# EAGLE board Mk4 Final a Panel score (EAGLE 9.0.1), part 17 of 24
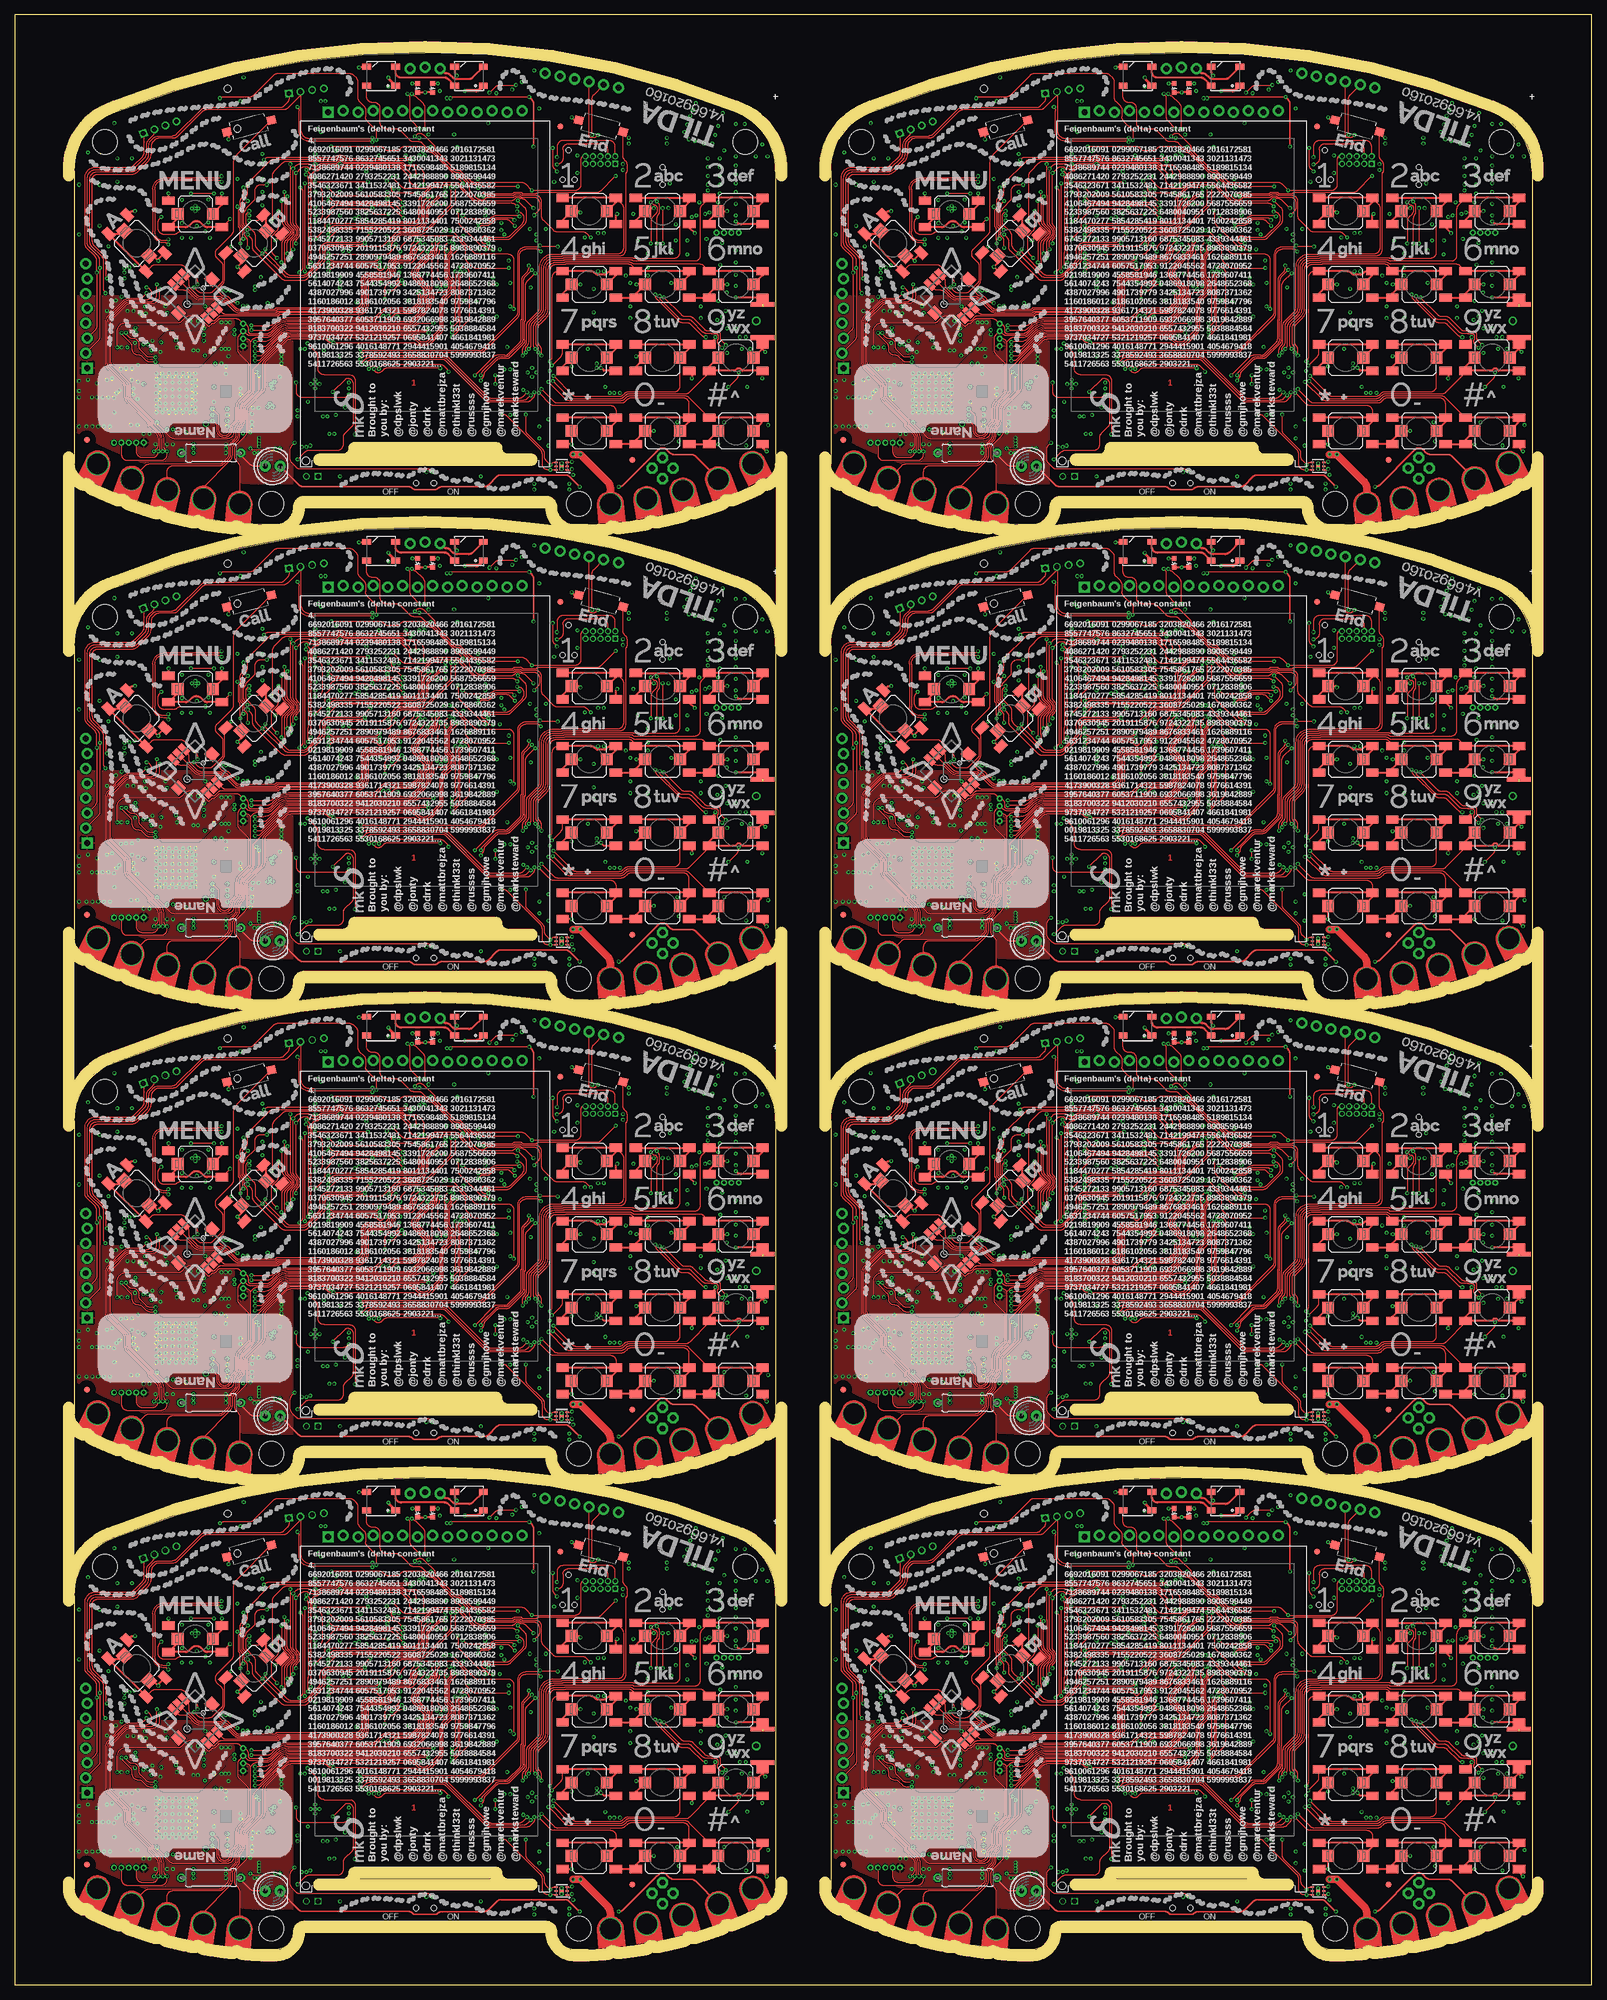
[diagram p0: board, top side]
## Tracks (layer width: path | path; a pad name or v marks a point on that pad's centre or on a via) (continued)
SDRAM_A58  (via drill 0.3) (continued)
  Bottom 0.15: v66.25,221.25 66.71,220.79 arc-45 67,220.09 IC74.24 | v45.5,223.25 51.42,223.25 arc-45 51.56,223.19 51.59,223.16 arc45 51.73,223.1 IC73.11 52.77,223.1 arc45 52.91,223.16 52.94,223.19 arc-45 53.08,223.25 v53.5,223.25 | IC73.31 41.7,212.7 arc-45 41.82,212.75 v45.5,212.75
SDRAM_A59  (via drill 0.3)
  Top 0.15: v66.3,220.3 64.49,222.11 arc45 63.79,222.4 61.42,222.4 arc-45 61.28,222.46 61.28,222.47 arc45 61.13,222.53 54.94,222.53 arc45 54.23,222.23 v53.5,221.5 | v45,221.5 45,218.83 arc-45 44.71,218.12 44.14,217.56 arc45 43.85,216.85 43.85,214.81 arc45 44.14,214.11 v44.75,213.5
  Bottom 0.15: v53.5,221.5 IC73.13 v45,221.5 | IC73.32 v44.75,213.5 | IC74.25 66.6,215.26 66.62,215.28 66.62,219.56 arc45 66.33,220.27 v66.3,220.3
SDRAM_A60  (via drill 0.3)
  Top 0.15: v59.75,216.1 v59.74,216.09 arc-45 59.04,215.8 53.75,215.8 arc90 52.5,214.55 52.5,213.5 arc-45 52.21,212.79 49.89,210.47 arc-45 49.18,210.18 46.74,210.18 arc-45 46.03,210.47 v42.25,214.25 41.29,215.21 arc-45 41,215.91 41,217.33 arc45 40.71,218.03 39.47,219.27 arc-45 39.4,219.45 39.4,220.69 arc-45 39.55,221.05 v40,221.5
  Bottom 0.15: IC73.42 v40,221.5 | IC73.33 41.7,214.3 arc45 41.82,214.25 v42.25,214.25 | IC74.40 61.66,217.6 arc45 60.96,217.31 v59.75,216.1
SDRAM_A61  (via drill 0.3)
  Top 0.15: v39.75,215.25 39.75,216.34 arc45 39.46,217.05 39.38,217.12 arc-45 39.16,217.65 39.16,218.58 arc45 39.09,218.76 38.87,218.98 arc-45 38.8,219.16 38.8,221.24 arc-45 38.95,221.59 39.02,221.67 arc45 39.16,222.02 39.16,222.25 arc-45 39.46,222.96 v39.75,223.25 | v60.65,217.75 59.32,216.42 arc-45 58.61,216.12 53.5,216.12 arc90 52,214.62 52,213.42 arc-45 51.71,212.72 49.76,210.77 arc-45 49.05,210.47 47.2,210.47 arc-45 46.49,210.77 43.04,214.22 arc-45 42.75,214.92 v42.75,215
  Bottom 0.15: IC73.44 40.65,223.1 40.65,223.1 arc45 40.29,223.25 v39.75,223.25 | v39.75,215.25 40.29,215.25 arc-45 40.65,215.1 IC73.34 42.51,215.1 arc-45 v42.75,215 | IC74.41 61.25,218 arc45 v60.65,217.75
SDRAM_A62  (via drill 0.3)
  Top 0.15: v53.5,214.25 53.58,214.18 63.35,214.18 arc45 64.06,214.47 64.9,215.31 arc45 65.05,215.66 v65.05,215.8 | v46.5,214.25 46.5,215.95 arc-45 46.79,216.65 47.48,217.34 arc90 47.48,218.4 46.79,219.09 arc-45 46.5,219.8 v46.5,224
  Bottom 0.15: IC73.45 41.82,223.9 arc45 41.96,223.96 arc-45 42.06,224 v46.5,224 | v53.5,214.25 53,214.25 52.95,214.3 IC73.22 51.8,214.3 arc-45 51.68,214.25 v46.5,214.25 | IC74.50 63.54,221.6 arc-45 64.24,221.31 64.76,220.79 arc-45 65.05,220.09 v65.05,215.8
SDRAM_A63  (via drill 0.3)
  Top 0.15: v39,216.75 39,217.08 38.86,217.22 38.86,218.46 arc45 38.79,218.64 38.57,218.85 arc-45 38.5,219.03 38.5,221.37 arc-45 38.65,221.72 38.72,221.79 arc45 38.86,222.14 38.86,222.95 arc-45 39.16,223.66 39.46,223.96 arc45 39.75,224.66 v39.75,226.25 43.53,230.03 arc-45 44.24,230.32 54.73,230.32 54.79,230.38 arc-90 56.21,230.38 56.42,230.18 66.97,230.18 arc-45 v67.47,229.97
  Bottom 0.15: IC73.48 40.55,226.3 40.5,226.25 v39.75,226.25 | IC73.36 40.55,216.7 40.5,216.75 v39,216.75 | v67.47,229.97 67.8,229.64 IC74.75
SDRAM_A64  (via drill 0.3)
  Top 0.15: v39,225.5 39,224.41 arc-45 38.71,223.71 arc45 38.5,223.21 38.5,222.49 38.52,222.47 38.52,222.1 arc-45 38.48,221.98 38.48,221.97 38.35,221.84 arc45 38.2,221.49 38.2,218.91 arc45 38.27,218.73 38.4,218.6 arc-45 38.48,218.42 38.48,216.53 38.5,216.51 v38.5,216 | v51.25,216.75 52.68,218.18 arc45 52.98,218.89 52.98,219.71 arc-45 53.27,220.42 54.46,221.61 arc-45 55.16,221.9 59.94,221.9 arc-45 60.64,221.61 60.96,221.29 arc45 61.66,221 v63.75,221
  Bottom 0.15: IC73.47 v39,225.5 | v38.5,216 40.42,216 arc-45 40.56,215.94 40.6,215.9 IC73.35 46.49,215.9 arc45 47.19,216.19 47.46,216.46 arc-45 48.16,216.75 v51.25,216.75 | IC74.49 63.27,221.2 arc-45 v63.75,221
SDRAM_A65  (via drill 0.3)
  Top 0.15: v176,229.5 v176,229.49 175.97,229.47 175.97,224.27 176.03,224.22 176.03,219.7 arc45 176.32,218.99 176.73,218.58 arc-90 176.73,217.17 176.27,216.71 arc45 175.97,216 175.97,214.52 176.03,214.47 176.03,214.03 176,214.01 v176,213.5 | v191.3,213.5 190.99,213.19 arc-45 190.29,212.9 183.51,212.9 arc-45 182.81,213.19 v182.5,213.5
  Bottom 0.15: IC91.2 177.21,230.3 arc45 176.51,230.01 v176,229.5 | IC92.29 194,214.03 arc90 193.5,214.53 193.12,214.53 | v182.5,213.5 IC91.23 v176,213.5 | 193.12,214.53 | 193.12,214.53 192.68,214.53 arc45 192.08,214.28 v191.3,213.5
SDRAM_A66  (via drill 0.3)
  Top 0.15: v191.3,212.75 arc-45 190.94,212.6 182.86,212.6 arc-45 v182.5,212.75 | v178.75,228.5 179.11,228.14 arc-45 179.4,227.44 179.4,226.13 arc45 179.44,226.03 arc-45 179.5,225.89 v179.5,212.75
  Bottom 0.15: v178.75,228.5 arc-45 179.23,228.7 IC91.4 | IC92.30 193.6,213.97 arc90 193.35,214.22 192.68,214.22 arc45 192.33,214.08 192.21,213.96 arc45 192,213.45 arc-90 v191.3,212.75 | v182.5,212.75 182.07,212.75 arc45 181.95,212.7 IC91.24 180.8,212.7 180.75,212.75 v179.5,212.75
SDRAM_A67  (via drill 0.3)
  Top 0.15: v178.7,227.75 178.73,227.72 arc-45 179.03,227.01 179.03,214.4 178.97,214.35 178.97,212.03 v179,212 | v191.3,212 v191.29,212.01 arc45 190.59,212.3 183.21,212.3 arc45 v182.51,212.01 v182.5,212
  Bottom 0.15: v178.7,227.75 arc-45 179.06,227.9 IC91.5 | v182.5,212 182.08,212 arc45 181.94,211.94 181.9,211.9 IC91.25 180.85,211.9 180.81,211.94 arc45 180.67,212 v179,212 | IC92.31 193.2,211.85 arc-90 192.7,211.35 191.8,211.35 arc-90 191.3,211.85 v191.3,212 v191.3,211.99
SDRAM_A68  (via drill 0.3)
  Top 0.15: v178.5,226.25 178.47,226.22 178.47,211.28 v178.5,211.25 | v182.5,211.25 182.96,211.71 arc-45 183.66,212 190.14,212 arc-45 190.84,211.71 191.02,211.53 arc90 191.73,211.53 v192.2,212
  Bottom 0.15: v182.5,211.25 182,211.25 181.85,211.1 IC91.26 180.9,211.1 180.81,211.19 arc45 180.67,211.25 v178.5,211.25 | v192.2,212 192.3,212 arc90 192.8,212.5 IC92.32 | v178.5,226.25 178.52,226.25 178.57,226.2 179.61,226.2 arc-45 179.75,226.14 179.78,226.11 arc90 180.83,226.11 181.02,226.3 IC91.7
SDRAM_A69  (via drill 0.3)
  Top 0.15: v182.5,225.5 183.58,224.42 arc45 184.29,224.12 193.71,224.12 arc-45 194.42,223.83 v195.25,223 | v177.75,225.5 177.95,225.3 arc-45 178.1,224.94 178.1,211.76 arc-45 177.95,211.4 v177.55,211
  Bottom 0.15: IC92.22 196.8,221.04 arc45 196.51,221.74 v195.25,223 | v177.75,225.5 IC91.8 v182.5,225.5 | IC91.29 170.59,211.1 arc-45 170.69,211.06 arc45 170.83,211 v177.55,211
SDRAM_A70  (via drill 0.3)
  Top 0.15: v175,224.75 174.97,224.72 174.97,223.58 arc45 175.02,223.48 arc-45 175.07,223.34 175.07,219.8 arc45 175.37,219.09 176.24,218.23 arc-90 176.24,217.52 175.27,216.55 arc45 174.97,215.85 174.97,213.4 175.03,213.35 175.03,212.03 v175,212 | v195.25,222 194.54,222.71 arc45 193.84,223 190.67,223 arc-45 190.53,223.06 190.53,223.07 arc45 190.38,223.12 183.79,223.12 arc-45 183.08,223.42 v182.5,224
  Bottom 0.15: v195.25,222 196.11,221.14 arc-45 196.4,220.44 IC92.23 | v175,224.75 175.09,224.75 arc-45 175.79,224.46 175.96,224.29 arc45 176.66,224 180.42,224 arc-45 180.56,223.94 arc45 180.66,223.9 IC91.10 181.82,223.9 arc45 181.96,223.96 arc-45 182.06,224 v182.5,224 | IC91.30 170.59,211.9 arc45 170.69,211.94 arc-45 170.83,212 v175,212
SDRAM_A71  (via drill 0.3)
  Top 0.15: v174.5,223.25 174.5,221.74 174.53,221.72 174.53,219.93 arc45 174.82,219.22 175.99,218.05 arc-90 175.99,217.7 174.79,216.5 arc45 174.5,215.8 v174.5,212.75 | v195.25,221.25 194.09,222.41 arc45 193.39,222.7 190.55,222.7 arc-45 190.41,222.76 190.4,222.77 arc45 190.26,222.82 183.34,222.82 arc-45 182.63,223.12 v182.5,223.25
  Bottom 0.15: v195.25,221.25 195.71,220.79 arc-45 196,220.09 IC92.24 | v174.5,223.25 180.42,223.25 arc-45 180.56,223.19 180.59,223.16 arc45 180.73,223.1 IC91.11 181.77,223.1 arc45 181.91,223.16 181.94,223.19 arc-45 182.08,223.25 v182.5,223.25 | IC91.31 170.7,212.7 arc-45 170.82,212.75 v174.5,212.75
SDRAM_A72  (via drill 0.3)
  Top 0.15: v195.3,220.3 193.49,222.11 arc45 192.79,222.4 190.43,222.4 arc-45 190.28,222.46 190.28,222.47 arc45 190.13,222.53 183.94,222.53 arc45 183.23,222.23 v182.5,221.5 | v174,221.5 174,218.83 arc-45 173.71,218.12 173.14,217.56 arc45 172.85,216.85 172.85,214.81 arc45 173.14,214.11 v173.75,213.5
  Bottom 0.15: v182.5,221.5 IC91.13 v174,221.5 | IC91.32 v173.75,213.5 | IC92.25 195.6,215.26 195.62,215.28 195.62,219.56 arc45 195.33,220.27 v195.3,220.3
SDRAM_A73  (via drill 0.3)
  Top 0.15: v188.75,216.1 v188.74,216.09 arc-45 188.04,215.8 182.75,215.8 arc90 181.5,214.55 181.5,213.5 arc-45 181.21,212.79 178.88,210.47 arc-45 178.18,210.18 175.74,210.18 arc-45 175.03,210.47 v171.25,214.25 170.29,215.21 arc-45 170,215.91 170,217.33 arc45 169.71,218.03 168.47,219.27 arc-45 168.4,219.45 168.4,220.69 arc-45 168.55,221.05 v169,221.5
  Bottom 0.15: IC91.42 v169,221.5 | IC91.33 170.7,214.3 arc45 170.82,214.25 v171.25,214.25 | IC92.40 190.66,217.6 arc45 189.96,217.31 v188.75,216.1
SDRAM_A74  (via drill 0.3)
  Top 0.15: v168.75,215.25 168.75,216.34 arc45 168.46,217.05 168.38,217.12 arc-45 168.16,217.65 168.16,218.58 arc45 168.09,218.76 167.87,218.98 arc-45 167.8,219.16 167.8,221.24 arc-45 167.95,221.59 168.02,221.67 arc45 168.16,222.02 168.16,222.25 arc-45 168.46,222.96 v168.75,223.25 | v189.65,217.75 188.32,216.42 arc-45 187.61,216.12 182.5,216.12 arc90 181,214.62 181,213.42 arc-45 180.71,212.72 178.76,210.77 arc-45 178.05,210.47 176.2,210.47 arc-45 175.49,210.77 172.04,214.22 arc-45 171.75,214.92 v171.75,215
  Bottom 0.15: IC91.44 169.65,223.1 169.65,223.1 arc45 169.29,223.25 v168.75,223.25 | v168.75,215.25 169.29,215.25 arc-45 169.65,215.1 IC91.34 171.51,215.1 arc-45 v171.75,215 | IC92.41 190.25,218 arc45 v189.65,217.75
SDRAM_A75  (via drill 0.3)
  Top 0.15: v182.5,214.25 182.57,214.18 192.35,214.18 arc45 193.06,214.47 193.9,215.31 arc45 194.05,215.66 v194.05,215.8 | v175.5,214.25 175.5,215.95 arc-45 175.79,216.65 176.48,217.34 arc90 176.48,218.4 175.79,219.09 arc-45 175.5,219.8 v175.5,224
  Bottom 0.15: IC91.45 170.82,223.9 arc45 170.96,223.96 arc-45 171.06,224 v175.5,224 | v182.5,214.25 182,214.25 181.95,214.3 IC91.22 180.8,214.3 arc-45 180.68,214.25 v175.5,214.25 | IC92.50 192.54,221.6 arc-45 193.24,221.31 193.76,220.79 arc-45 194.05,220.09 v194.05,215.8
SDRAM_A76  (via drill 0.3)
  Top 0.15: v168,216.75 168,217.08 167.86,217.22 167.86,218.46 arc45 167.79,218.64 167.57,218.85 arc-45 167.5,219.03 167.5,221.37 arc-45 167.65,221.72 167.72,221.79 arc45 167.86,222.14 167.86,222.95 arc-45 168.16,223.66 168.46,223.96 arc45 168.75,224.66 v168.75,226.25 172.53,230.03 arc-45 173.24,230.32 183.73,230.32 183.79,230.38 arc-90 185.21,230.38 185.42,230.18 195.97,230.18 arc-45 v196.47,229.97
  Bottom 0.15: IC91.48 169.55,226.3 169.5,226.25 v168.75,226.25 | IC91.36 169.55,216.7 169.5,216.75 v168,216.75 | v196.47,229.97 196.8,229.64 IC92.75
SDRAM_A77  (via drill 0.3)
  Top 0.15: v168,225.5 168,224.41 arc-45 167.71,223.71 arc45 167.5,223.21 167.5,222.49 167.53,222.47 167.53,222.1 arc-45 167.47,221.98 167.47,221.97 167.35,221.84 arc45 167.2,221.49 167.2,218.91 arc45 167.27,218.73 167.4,218.6 arc-45 167.47,218.42 167.47,216.53 167.5,216.51 v167.5,216 | v180.25,216.75 181.68,218.18 arc45 181.97,218.89 181.97,219.71 arc-45 182.27,220.42 183.46,221.61 arc-45 184.16,221.9 188.94,221.9 arc-45 189.64,221.61 189.96,221.29 arc45 190.66,221 v192.75,221
  Bottom 0.15: IC91.47 v168,225.5 | v167.5,216 169.42,216 arc-45 169.56,215.94 169.6,215.9 IC91.35 175.49,215.9 arc45 176.19,216.19 176.46,216.46 arc-45 177.16,216.75 v180.25,216.75 | IC92.49 192.27,221.2 arc-45 v192.75,221
SDRAM_A78  (via drill 0.3)
  Top 0.15: v47,310.5 v47,310.49 46.98,310.47 46.98,305.27 47.02,305.22 47.02,300.7 arc45 47.32,299.99 47.73,299.58 arc-90 47.73,298.17 47.27,297.7 arc45 46.98,297 46.98,295.52 47.02,295.47 47.02,295.03 47,295.01 v47,294.5 | v62.3,294.5 61.99,294.19 arc-45 61.29,293.9 54.51,293.9 arc-45 53.81,294.19 v53.5,294.5
  Bottom 0.15: IC109.2 48.21,311.3 arc45 47.51,311.01 v47,310.5 | IC110.29 65,295.02 arc90 64.5,295.52 64.12,295.52 | v53.5,294.5 IC109.23 v47,294.5 | 64.12,295.52 | 64.12,295.52 63.68,295.52 arc45 63.08,295.28 v62.3,294.5
SDRAM_A79  (via drill 0.3)
  Top 0.15: v62.3,293.75 arc-45 61.94,293.6 53.86,293.6 arc-45 v53.5,293.75 | v49.75,309.5 50.11,309.14 arc-45 50.4,308.44 50.4,307.13 arc45 50.44,307.03 arc-45 50.5,306.89 v50.5,293.75
  Bottom 0.15: v49.75,309.5 arc-45 50.23,309.7 IC109.4 | IC110.30 64.6,294.98 arc90 64.35,295.23 63.68,295.23 arc45 63.33,295.08 63.21,294.96 arc45 63,294.45 arc-90 v62.3,293.75 | v53.5,293.75 53.07,293.75 arc45 52.95,293.7 IC109.24 51.8,293.7 51.75,293.75 v50.5,293.75
SDRAM_A80  (via drill 0.3)
  Top 0.15: v49.7,308.75 49.73,308.72 arc-45 50.02,308.01 50.02,295.4 49.98,295.35 49.98,293.02 v50,293 | v62.3,293 v62.29,293.01 arc45 61.59,293.3 54.21,293.3 arc45 v53.51,293.01 v53.5,293
  Bottom 0.15: v49.7,308.75 arc-45 50.06,308.9 IC109.5 | v53.5,293 53.08,293 arc45 52.94,292.94 52.9,292.9 IC109.25 51.85,292.9 51.81,292.94 arc45 51.67,293 v50,293 | IC110.31 64.2,292.85 arc-90 63.7,292.35 62.8,292.35 arc-90 62.3,292.85 v62.3,293 v62.3,292.99
SDRAM_A81  (via drill 0.3)
  Top 0.15: v49.5,307.25 49.48,307.23 49.48,292.27 v49.5,292.25 | v53.5,292.25 53.96,292.71 arc-45 54.66,293 61.14,293 arc-45 61.84,292.71 62.02,292.53 arc90 62.73,292.53 v63.2,293
  Bottom 0.15: v53.5,292.25 53,292.25 52.85,292.1 IC109.26 51.9,292.1 51.81,292.19 arc45 51.67,292.25 v49.5,292.25 | v63.2,293 63.3,293 arc90 63.8,293.5 IC110.32 | v49.5,307.25 49.52,307.25 49.57,307.2 50.61,307.2 arc-45 50.75,307.14 50.77,307.11 arc90 51.84,307.11 52.02,307.3 IC109.7
SDRAM_A82  (via drill 0.3)
  Top 0.15: v53.5,306.5 54.58,305.42 arc45 55.29,305.12 64.71,305.12 arc-45 65.42,304.83 v66.25,304 | v48.75,306.5 48.95,306.3 arc-45 49.1,305.94 49.1,292.76 arc-45 48.95,292.4 v48.55,292
  Bottom 0.15: IC110.22 67.8,302.04 arc45 67.51,302.74 v66.25,304 | v48.75,306.5 IC109.8 v53.5,306.5 | IC109.29 41.59,292.1 arc-45 41.69,292.06 arc45 41.83,292 v48.55,292
SDRAM_A83  (via drill 0.3)
  Top 0.15: v46,305.75 45.98,305.73 45.98,304.58 arc45 46.02,304.48 arc-45 46.08,304.33 46.08,300.8 arc45 46.37,300.09 47.23,299.23 arc-90 47.23,298.52 46.27,297.55 arc45 45.98,296.85 45.98,294.4 46.02,294.35 46.02,293.02 v46,293 | v66.25,303 65.54,303.71 arc45 64.84,304 61.67,304 arc-45 61.53,304.06 61.52,304.07 arc45 61.38,304.12 54.79,304.12 arc-45 54.08,304.42 v53.5,305
  Bottom 0.15: v66.25,303 67.11,302.14 arc-45 67.4,301.44 IC110.23 | v46,305.75 46.09,305.75 arc-45 46.79,305.46 46.96,305.29 arc45 47.66,305 51.42,305 arc-45 51.56,304.94 arc45 51.66,304.9 IC109.10 52.82,304.9 arc45 52.96,304.96 arc-45 53.06,305 v53.5,305 | IC109.30 41.59,292.9 arc45 41.69,292.94 arc-45 41.83,293 v46,293
SDRAM_A84  (via drill 0.3)
  Top 0.15: v45.5,304.25 45.5,302.74 45.52,302.72 45.52,300.93 arc45 45.82,300.22 46.99,299.05 arc-90 46.99,298.7 45.79,297.5 arc45 45.5,296.8 v45.5,293.75 | v66.25,302.25 65.09,303.41 arc45 64.39,303.7 61.55,303.7 arc-45 61.41,303.76 61.4,303.77 arc45 61.26,303.82 54.34,303.82 arc-45 53.63,304.12 v53.5,304.25
  Bottom 0.15: v66.25,302.25 66.71,301.79 arc-45 67,301.09 IC110.24 | v45.5,304.25 51.42,304.25 arc-45 51.56,304.19 51.59,304.16 arc45 51.73,304.1 IC109.11 52.77,304.1 arc45 52.91,304.16 52.94,304.19 arc-45 53.08,304.25 v53.5,304.25 | IC109.31 41.7,293.7 arc-45 41.82,293.75 v45.5,293.75
SDRAM_A85  (via drill 0.3)
  Top 0.15: v66.3,301.3 64.49,303.11 arc45 63.79,303.4 61.42,303.4 arc-45 61.28,303.46 61.28,303.47 arc45 61.13,303.52 54.94,303.52 arc45 54.23,303.23 v53.5,302.5 | v45,302.5 45,299.83 arc-45 44.71,299.12 44.14,298.56 arc45 43.85,297.85 43.85,295.81 arc45 44.14,295.11 v44.75,294.5
  Bottom 0.15: v53.5,302.5 IC109.13 v45,302.5 | IC109.32 v44.75,294.5 | IC110.25 66.6,296.26 66.62,296.28 66.62,300.56 arc45 66.33,301.27 v66.3,301.3
SDRAM_A86  (via drill 0.3)
  Top 0.15: v59.75,297.1 v59.74,297.09 arc-45 59.04,296.8 53.75,296.8 arc90 52.5,295.55 52.5,294.5 arc-45 52.21,293.79 49.89,291.47 arc-45 49.18,291.18 46.74,291.18 arc-45 46.03,291.47 v42.25,295.25 41.29,296.21 arc-45 41,296.91 41,298.33 arc45 40.71,299.04 39.47,300.27 arc-45 39.4,300.45 39.4,301.69 arc-45 39.55,302.05 v40,302.5
  Bottom 0.15: IC109.42 v40,302.5 | IC109.33 41.7,295.3 arc45 41.82,295.25 v42.25,295.25 | IC110.40 61.66,298.6 arc45 60.96,298.31 v59.75,297.1
SDRAM_A87  (via drill 0.3)
  Top 0.15: v39.75,296.25 39.75,297.34 arc45 39.46,298.05 39.38,298.12 arc-45 39.16,298.65 39.16,299.58 arc45 39.09,299.76 38.87,299.98 arc-45 38.8,300.15 38.8,302.24 arc-45 38.95,302.6 39.02,302.67 arc45 39.16,303.02 39.16,303.25 arc-45 39.46,303.96 v39.75,304.25 | v60.65,298.75 59.32,297.42 arc-45 58.61,297.12 53.5,297.12 arc90 52,295.62 52,294.42 arc-45 51.71,293.71 49.76,291.77 arc-45 49.05,291.48 47.2,291.48 arc-45 46.49,291.77 43.04,295.21 arc-45 42.75,295.92 v42.75,296
  Bottom 0.15: IC109.44 40.65,304.1 40.65,304.1 arc45 40.29,304.25 v39.75,304.25 | v39.75,296.25 40.29,296.25 arc-45 40.65,296.1 IC109.34 42.51,296.1 arc-45 v42.75,296 | IC110.41 61.25,299 arc45 v60.65,298.75
SDRAM_A88  (via drill 0.3)
  Top 0.15: v53.5,295.25 53.58,295.18 63.35,295.18 arc45 64.06,295.47 64.9,296.31 arc45 65.05,296.67 v65.05,296.8 | v46.5,295.25 46.5,296.95 arc-45 46.79,297.65 47.48,298.34 arc90 47.48,299.4 46.79,300.09 arc-45 46.5,300.8 v46.5,305
  Bottom 0.15: IC109.45 41.82,304.9 arc45 41.96,304.96 arc-45 42.06,305 v46.5,305 | v53.5,295.25 53,295.25 52.95,295.3 IC109.22 51.8,295.3 arc-45 51.68,295.25 v46.5,295.25 | IC110.50 63.54,302.6 arc-45 64.24,302.31 64.76,301.79 arc-45 65.05,301.09 v65.05,296.8
SDRAM_A89  (via drill 0.3)
  Top 0.15: v39,297.75 39,298.08 38.86,298.22 38.86,299.46 arc45 38.79,299.64 38.57,299.85 arc-45 38.5,300.03 38.5,302.37 arc-45 38.65,302.72 38.72,302.79 arc45 38.86,303.14 38.86,303.95 arc-45 39.16,304.66 39.46,304.96 arc45 39.75,305.66 v39.75,307.25 43.53,311.03 arc-45 44.24,311.32 54.73,311.32 54.79,311.38 arc-90 56.21,311.38 56.42,311.18 66.97,311.18 arc-45 v67.47,310.97
  Bottom 0.15: IC109.48 40.55,307.3 40.5,307.25 v39.75,307.25 | IC109.36 40.55,297.7 40.5,297.75 v39,297.75 | v67.47,310.97 67.8,310.64 IC110.75
SDRAM_A90  (via drill 0.3)
  Top 0.15: v39,306.5 39,305.41 arc-45 38.71,304.71 arc45 38.5,304.21 38.5,303.49 38.52,303.47 38.52,303.1 arc-45 38.48,302.98 38.48,302.97 38.35,302.84 arc45 38.2,302.49 38.2,299.91 arc45 38.27,299.73 38.4,299.6 arc-45 38.48,299.42 38.48,297.53 38.5,297.51 v38.5,297 | v51.25,297.75 52.68,299.18 arc45 52.98,299.89 52.98,300.71 arc-45 53.27,301.42 54.46,302.61 arc-45 55.16,302.9 59.94,302.9 arc-45 60.64,302.61 60.96,302.29 arc45 61.66,302 v63.75,302
  Bottom 0.15: IC109.47 v39,306.5 | v38.5,297 40.42,297 arc-45 40.56,296.94 40.6,296.9 IC109.35 46.49,296.9 arc45 47.19,297.19 47.46,297.46 arc-45 48.16,297.75 v51.25,297.75 | IC110.49 63.27,302.2 arc-45 v63.75,302
SDRAM_A91  (via drill 0.3)
  Top 0.15: v176,310.5 v176,310.49 175.97,310.47 175.97,305.27 176.03,305.22 176.03,300.7 arc45 176.32,299.99 176.73,299.58 arc-90 176.73,298.17 176.27,297.7 arc45 175.97,297 175.97,295.52 176.03,295.47 176.03,295.03 176,295.01 v176,294.5 | v191.3,294.5 190.99,294.19 arc-45 190.29,293.9 183.51,293.9 arc-45 182.81,294.19 v182.5,294.5
  Bottom 0.15: IC127.2 177.21,311.3 arc45 176.51,311.01 v176,310.5 | IC128.29 194,295.02 arc90 193.5,295.52 193.12,295.52 | v182.5,294.5 IC127.23 v176,294.5 | 193.12,295.52 | 193.12,295.52 192.68,295.52 arc45 192.08,295.28 v191.3,294.5
SDRAM_A92  (via drill 0.3)
  Top 0.15: v191.3,293.75 arc-45 190.94,293.6 182.86,293.6 arc-45 v182.5,293.75 | v178.75,309.5 179.11,309.14 arc-45 179.4,308.44 179.4,307.13 arc45 179.44,307.03 arc-45 179.5,306.89 v179.5,293.75
  Bottom 0.15: v178.75,309.5 arc-45 179.23,309.7 IC127.4 | IC128.30 193.6,294.98 arc90 193.35,295.23 192.68,295.23 arc45 192.33,295.08 192.21,294.96 arc45 192,294.45 arc-90 v191.3,293.75 | v182.5,293.75 182.07,293.75 arc45 181.95,293.7 IC127.24 180.8,293.7 180.75,293.75 v179.5,293.75
SDRAM_A93  (via drill 0.3)
  Top 0.15: v178.7,308.75 178.73,308.72 arc-45 179.03,308.01 179.03,295.4 178.97,295.35 178.97,293.02 v179,293 | v191.3,293 v191.29,293.01 arc45 190.59,293.3 183.21,293.3 arc45 v182.51,293.01 v182.5,293
  Bottom 0.15: v178.7,308.75 arc-45 179.06,308.9 IC127.5 | v182.5,293 182.08,293 arc45 181.94,292.94 181.9,292.9 IC127.25 180.85,292.9 180.81,292.94 arc45 180.67,293 v179,293 | IC128.31 193.2,292.85 arc-90 192.7,292.35 191.8,292.35 arc-90 191.3,292.85 v191.3,293 v191.3,292.99
SDRAM_A94  (via drill 0.3)
  Top 0.15: v178.5,307.25 178.47,307.23 178.47,292.27 v178.5,292.25 | v182.5,292.25 182.96,292.71 arc-45 183.66,293 190.14,293 arc-45 190.84,292.71 191.02,292.53 arc90 191.73,292.53 v192.2,293
  Bottom 0.15: v182.5,292.25 182,292.25 181.85,292.1 IC127.26 180.9,292.1 180.81,292.19 arc45 180.67,292.25 v178.5,292.25 | v192.2,293 192.3,293 arc90 192.8,293.5 IC128.32 | v178.5,307.25 178.52,307.25 178.57,307.2 179.61,307.2 arc-45 179.75,307.14 179.78,307.11 arc90 180.83,307.11 181.02,307.3 IC127.7
SDRAM_A95  (via drill 0.3)
  Top 0.15: v182.5,306.5 183.58,305.42 arc45 184.29,305.12 193.71,305.12 arc-45 194.42,304.83 v195.25,304 | v177.75,306.5 177.95,306.3 arc-45 178.1,305.94 178.1,292.76 arc-45 177.95,292.4 v177.55,292
  Bottom 0.15: IC128.22 196.8,302.04 arc45 196.51,302.74 v195.25,304 | v177.75,306.5 IC127.8 v182.5,306.5 | IC127.29 170.59,292.1 arc-45 170.69,292.06 arc45 170.83,292 v177.55,292
SDRAM_A96  (via drill 0.3)
  Top 0.15: v175,305.75 174.97,305.73 174.97,304.58 arc45 175.02,304.48 arc-45 175.07,304.33 175.07,300.8 arc45 175.37,300.09 176.24,299.23 arc-90 176.24,298.52 175.27,297.55 arc45 174.97,296.85 174.97,294.4 175.03,294.35 175.03,293.02 v175,293 | v195.25,303 194.54,303.71 arc45 193.84,304 190.67,304 arc-45 190.53,304.06 190.53,304.07 arc45 190.38,304.12 183.79,304.12 arc-45 183.08,304.42 v182.5,305
  Bottom 0.15: v195.25,303 196.11,302.14 arc-45 196.4,301.44 IC128.23 | v175,305.75 175.09,305.75 arc-45 175.79,305.46 175.96,305.29 arc45 176.66,305 180.42,305 arc-45 180.56,304.94 arc45 180.66,304.9 IC127.10 181.82,304.9 arc45 181.96,304.96 arc-45 182.06,305 v182.5,305 | IC127.30 170.59,292.9 arc45 170.69,292.94 arc-45 170.83,293 v175,293
SDRAM_A97  (via drill 0.3)
  Top 0.15: v174.5,304.25 174.5,302.74 174.53,302.72 174.53,300.93 arc45 174.82,300.22 175.99,299.05 arc-90 175.99,298.7 174.79,297.5 arc45 174.5,296.8 v174.5,293.75 | v195.25,302.25 194.09,303.41 arc45 193.39,303.7 190.55,303.7 arc-45 190.41,303.76 190.4,303.77 arc45 190.26,303.82 183.34,303.82 arc-45 182.63,304.12 v182.5,304.25
  Bottom 0.15: v195.25,302.25 195.71,301.79 arc-45 196,301.09 IC128.24 | v174.5,304.25 180.42,304.25 arc-45 180.56,304.19 180.59,304.16 arc45 180.73,304.1 IC127.11 181.77,304.1 arc45 181.91,304.16 181.94,304.19 arc-45 182.08,304.25 v182.5,304.25 | IC127.31 170.7,293.7 arc-45 170.82,293.75 v174.5,293.75
SDRAM_A98  (via drill 0.3)
  Top 0.15: v195.3,301.3 193.49,303.11 arc45 192.79,303.4 190.43,303.4 arc-45 190.28,303.46 190.28,303.47 arc45 190.13,303.52 183.94,303.52 arc45 183.23,303.23 v182.5,302.5 | v174,302.5 174,299.83 arc-45 173.71,299.12 173.14,298.56 arc45 172.85,297.85 172.85,295.81 arc45 173.14,295.11 v173.75,294.5
  Bottom 0.15: v182.5,302.5 IC127.13 v174,302.5 | IC127.32 v173.75,294.5 | IC128.25 195.6,296.26 195.62,296.28 195.62,300.56 arc45 195.33,301.27 v195.3,301.3
SDRAM_A99  (via drill 0.3)
  Top 0.15: v188.75,297.1 v188.74,297.09 arc-45 188.04,296.8 182.75,296.8 arc90 181.5,295.55 181.5,294.5 arc-45 181.21,293.79 178.88,291.47 arc-45 178.18,291.18 175.74,291.18 arc-45 175.03,291.47 v171.25,295.25 170.29,296.21 arc-45 170,296.91 170,298.33 arc45 169.71,299.04 168.47,300.27 arc-45 168.4,300.45 168.4,301.69 arc-45 168.55,302.05 v169,302.5
  Bottom 0.15: IC127.42 v169,302.5 | IC127.33 170.7,295.3 arc45 170.82,295.25 v171.25,295.25 | IC128.40 190.66,298.6 arc45 189.96,298.31 v188.75,297.1
SDRAM_A100  (via drill 0.3)
  Top 0.15: v168.75,296.25 168.75,297.34 arc45 168.46,298.05 168.38,298.12 arc-45 168.16,298.65 168.16,299.58 arc45 168.09,299.76 167.87,299.98 arc-45 167.8,300.15 167.8,302.24 arc-45 167.95,302.6 168.02,302.67 arc45 168.16,303.02 168.16,303.25 arc-45 168.46,303.96 v168.75,304.25 | v189.65,298.75 188.32,297.42 arc-45 187.61,297.12 182.5,297.12 arc90 181,295.62 181,294.42 arc-45 180.71,293.71 178.76,291.77 arc-45 178.05,291.48 176.2,291.48 arc-45 175.49,291.77 172.04,295.21 arc-45 171.75,295.92 v171.75,296
  Bottom 0.15: IC127.44 169.65,304.1 169.65,304.1 arc45 169.29,304.25 v168.75,304.25 | v168.75,296.25 169.29,296.25 arc-45 169.65,296.1 IC127.34 171.51,296.1 arc-45 v171.75,296 | IC128.41 190.25,299 arc45 v189.65,298.75
SDRAM_A101  (via drill 0.3)
  Top 0.15: v182.5,295.25 182.57,295.18 192.35,295.18 arc45 193.06,295.47 193.9,296.31 arc45 194.05,296.67 v194.05,296.8 | v175.5,295.25 175.5,296.95 arc-45 175.79,297.65 176.48,298.34 arc90 176.48,299.4 175.79,300.09 arc-45 175.5,300.8 v175.5,305
  Bottom 0.15: IC127.45 170.82,304.9 arc45 170.96,304.96 arc-45 171.06,305 v175.5,305 | v182.5,295.25 182,295.25 181.95,295.3 IC127.22 180.8,295.3 arc-45 180.68,295.25 v175.5,295.25 | IC128.50 192.54,302.6 arc-45 193.24,302.31 193.76,301.79 arc-45 194.05,301.09 v194.05,296.8